# Altium PCB HMI_F767_V1.0_edited.PcbDoc (part 2 of 3) (continued)
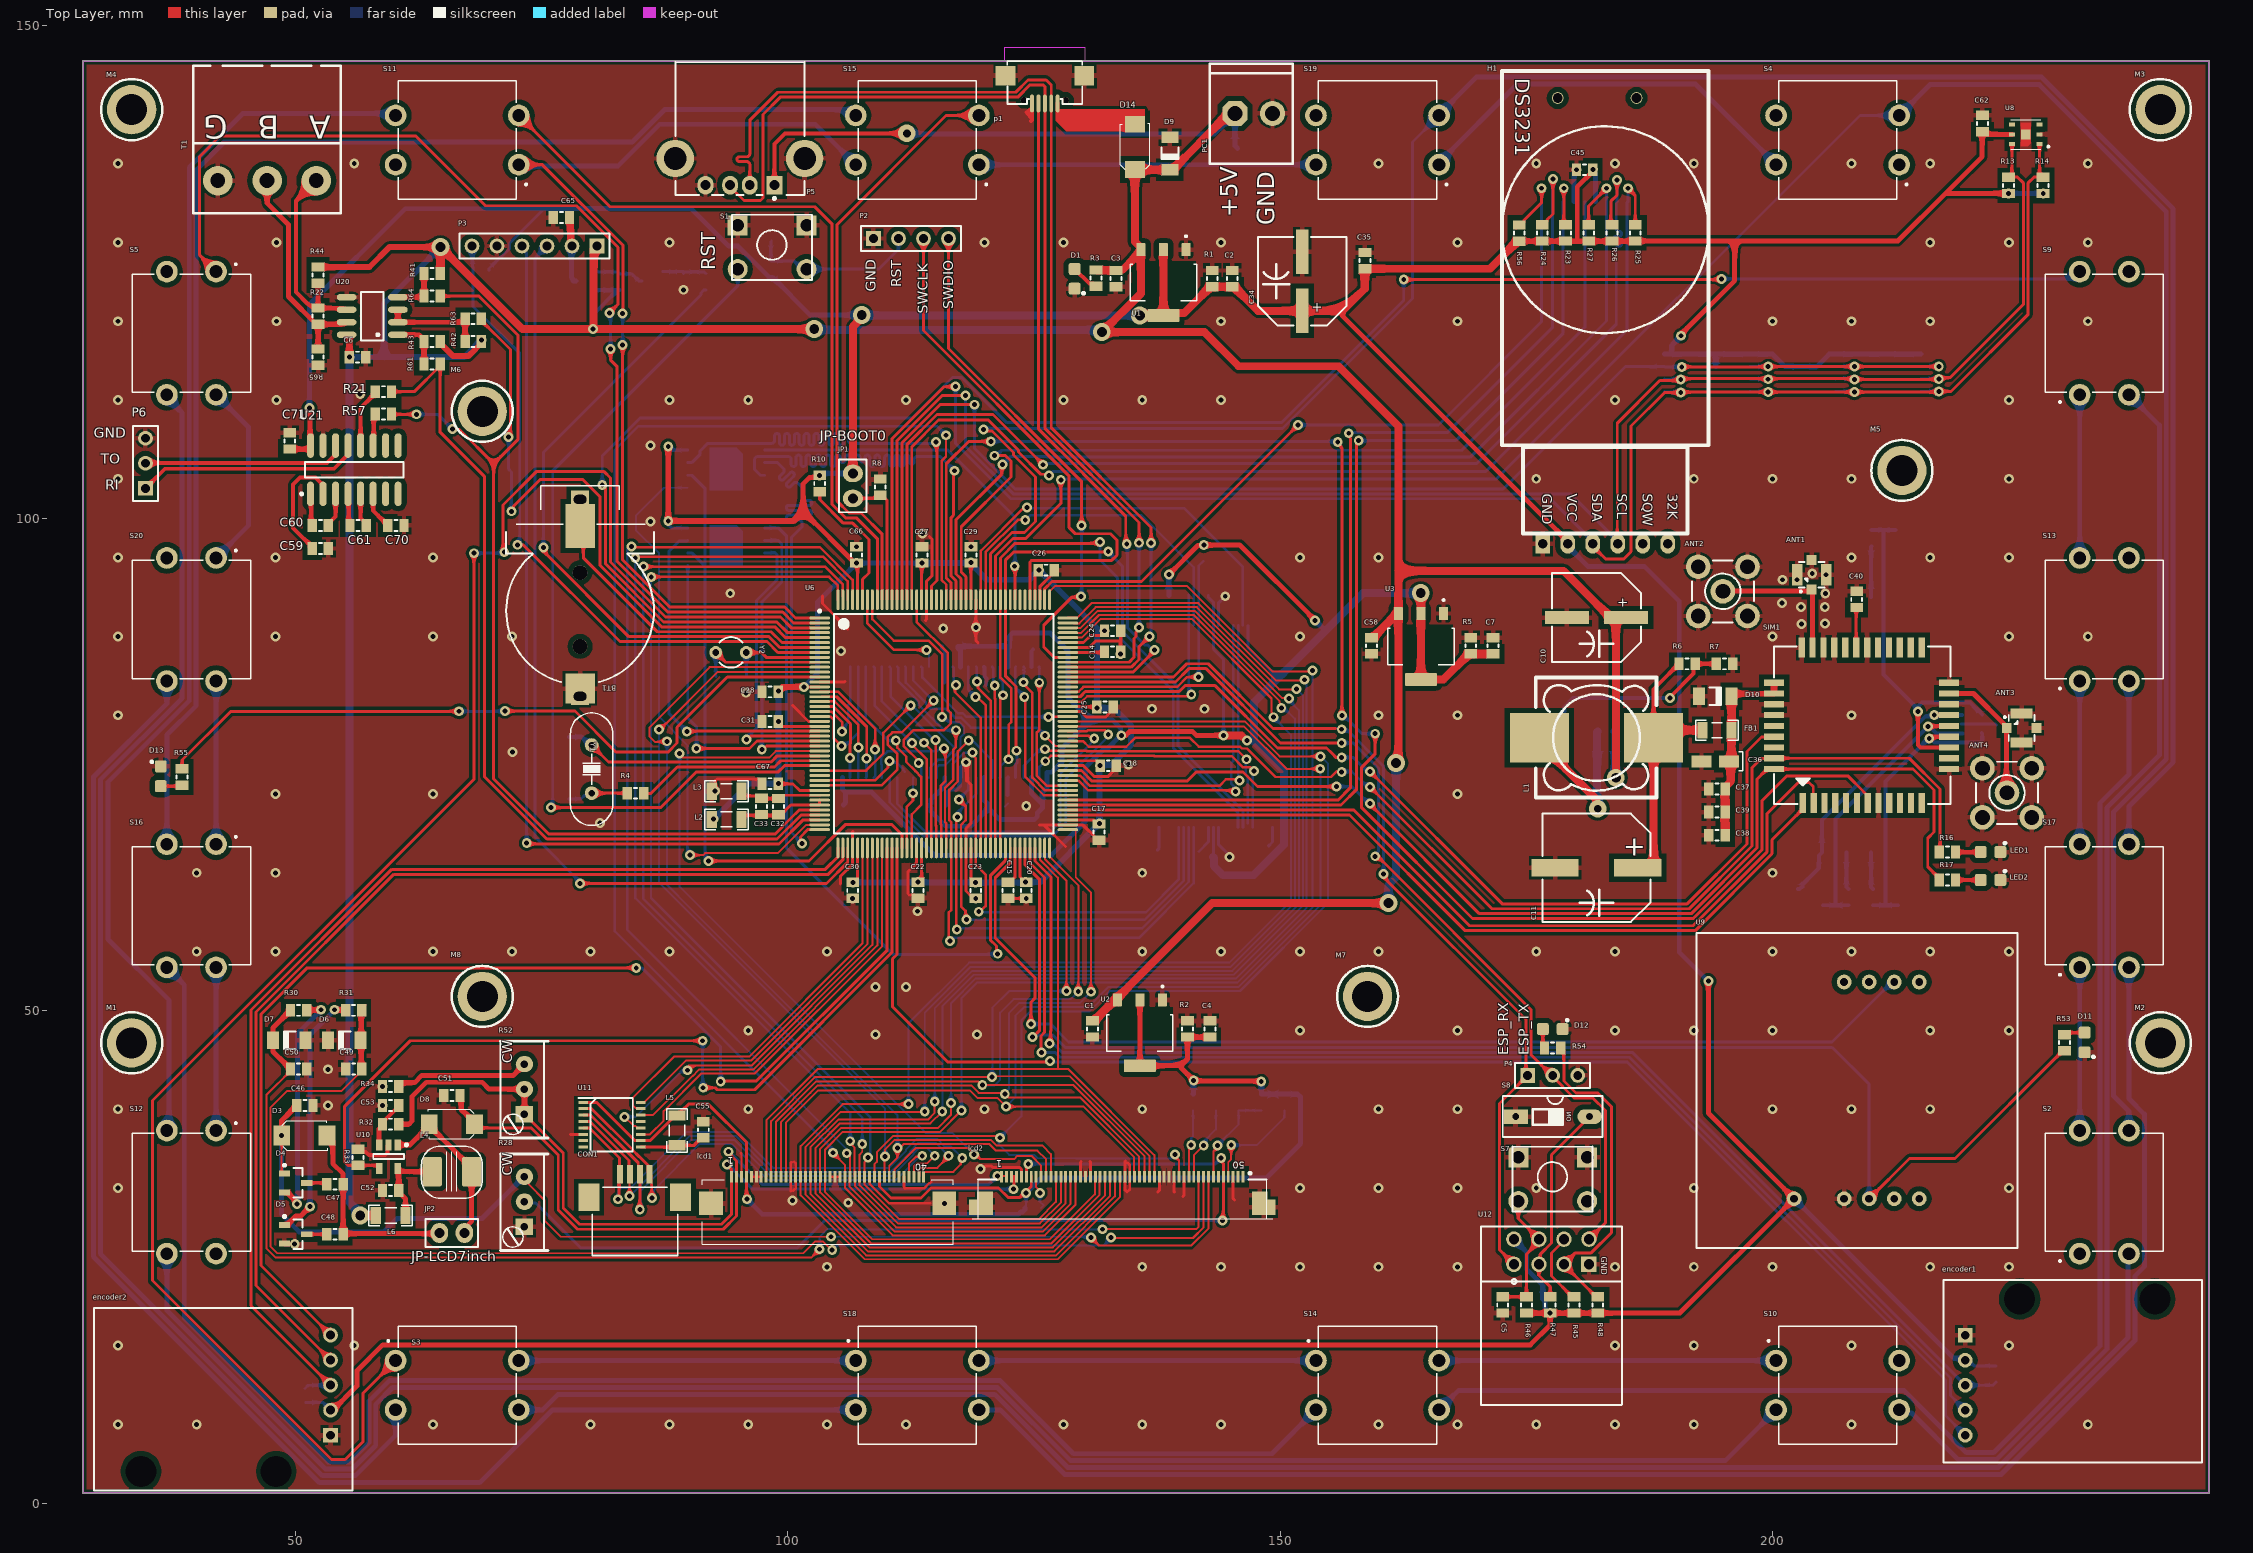
[diagram p0: Top Layer view]
## Nets (pads, with @x,y where several pads share a name; then routed paths per layer and width w, separated by ;. In a path a pad name is that pad's centre, name@x,y a point inside that pad or via, vN(x,y) a via of type N, cw(c..) or ccw(c..) an arc to the next point about the centre after c; other vN are vias at no path point) (continued)
  Top Layer w0.3: U6.57@111.1,66.525 111.1,55.718 110.65,55.268 110.65,50.4 116.275,44.775 126.5,44.775 v1(126.625,44.9)
  Bottom Layer w0.3: v1(126.625,44.9) 126.75,44.775 185.268,44.775 217.55,12.493 217.55,8.898 encoder1.5@219.555,6.893
EN1_B: encoder1.4 U6.84 | length 131.4
  Top Layer w0.3: U6.84@124.6,66.525 124.6,65.002 126.09,63.512 126.09,47.808 125.725,47.443 125.725,45.8 v1(125.775,45.75)
  Bottom Layer w0.3: v1(125.775,45.75) 127.17,45.75 127.645,45.275 185.475,45.275 218.05,12.7 218.05,10.938 encoder1.4@219.555,9.433
EN1_SW: encoder1.3 R39.2 U6.85 | length 131.2
  Top Layer w0.3: U6.85@125.1,66.525 125.1,65.209 125.169,65.14 126.725,63.584 126.725,47.95 126.709,47.934 126.709,46.809 126.575,46.675 v1(126.575,46.673)
  Bottom Layer w0.3: v1(126.575,46.673) 126.709,46.539 127.088,46.539 127.852,45.775 185.753,45.775 encoder1.3@219.555,11.973 ; encoder1.3@219.557,11.975 222.375,11.975 R39.2@222.7,12.3
EN2_A: encoder2.5 U6.55 | length 123.8
  Top Layer w0.3: encoder2.5@53.595,17.063 46.525,24.133 46.525,49.65 51.225,54.35 v1(84.625,54.35) ; v1(93.2,42.825) 93.225,42.85 96.818,42.85 110.1,56.132 U6.55@110.1,66.525
  Bottom Layer w0.3: v1(84.625,54.35) 85.177,54.35 93.2,46.327 v1(93.2,42.825)
EN2_B: encoder2.4 U6.46 | length 105.7
  Top Layer w0.3: encoder2.4@53.595,14.523 46.025,22.093 46.025,49.857 60.018,63.85 104.125,63.85 105.6,65.325 U6.46@105.6,66.525
EN2_SW: encoder2.3 R40.2 U6.45 | length 111.1
  Top Layer w0.3: encoder2.3@53.595,11.983 45.525,20.053 45.525,50.064 59.811,64.35 103.825,64.35 105.1,65.625 U6.45@105.1,66.525
  Bottom Layer w0.3: R40.2@51,11.65 51.325,11.975 53.587,11.975 encoder2.3@53.595,11.983
ESP_IO2: R48.1 R54.2 U12.3 | length 33.2
  Top Layer w0.3: R54.2@178.498,46.228 178.816,45.91 178.816,42.871 180.039,41.648 182.245,41.648 183.634,40.259 183.634,27.464 181.583,25.413 179.974,25.413 U12.3@178.818,24.257 178.818,24.206 182.07,20.954 R48.1@182.245,20.954
esp_rst: C5.1 R46.2 S7.2 U12.7 | length 13.5
  Top Layer w0.3: C5.1@172.593,20.954 R46.2@175.006,20.954 175.006,25.273 176.278,26.545 U12.7@176.278,26.797 174.18,28.895 S7.2@174.18,30.67
ESP_RX: P4.1 U6.120 U12.1 | length 95.3
  Top Layer w0.3: U6.120@128.45,83.875 139.175,83.875 140.525,85.225 142.698,85.225 149.273,78.65 155.625,78.65 ; v1(160.5,63.875) 160.5,63.55 174.95,49.1 174.95,43.617 P4.1@175.133,43.434 172.275,40.576 172.275,25.72 U12.1@173.738,24.257
  Bottom Layer w0.3: 155.625,78.65 156.675,78.65 160.5,74.825 v1(160.5,63.875)
  other v1: 156.25,78.575
ESP_TX: P4.2 U6.119 U12.5 | length 95.3
  Top Layer w0.3: U6.119@128.45,83.375 139.382,83.375 140.732,84.725 142.491,84.725 150.04,77.176 155.725,77.176 ; v1@159.776,65.801 175.45,50.127 175.45,45.55 177.566,43.434 177.566,43.414 179.832,41.148 181.74,41.148 183.023,39.865 183.023,28.462 U12.5@181.358,26.797
  Bottom Layer w0.3: v1(156.25,77.176) 157.426,77.176 159.975,74.627 159.975,66.189 159.65,65.864 v1(159.65,65.675)
Finger_on: R50.1 U6.7 | length 65.6
  Top Layer w0.3: v1(75.2,97.025) 75.2,96.644 83.869,87.975 98.107,87.975 99.207,86.875 U6.7@103.25,86.875
  Bottom Layer w0.3: v1(75.2,97.025) 75.2,106.697 91.194,122.691 91.194,122.866 91.519,123.191 R50.1@91.694,123.191
finger_power: C65.2 P3.2 Q1.1 | length 7.1
  Top Layer w0.8: C65.2@77.825,130.475 77.825,129.946 77.925,129.846 77.925,129.287 77.978,129.234 77.978,127.762 P3.2@78.105,127.635 P3.2@77.978,127.508
  Bottom Layer w0.5: P3.2@78.105,127.635 78.042,127.572 78.042,124.422 78.179,124.285 78.179,124.129 78.229,124.079 Q1.1@78.504,124.079
Finger_RX: P3.4 U6.42 | length 91.6
  Top Layer w0.3: v1(73.504,67.021) 73.554,67.021 73.65,66.925 99.134,66.925 101.584,69.375 U6.42@103.25,69.375
  Bottom Layer w0.3: P3.4@73.025,127.635 73.025,127.338 73.504,126.859 v1(73.504,67.021)
Finger_Touch: P3.6 R15.2 U6.8 | length 67.6
  Top Layer w0.3: v1(72.575,97.3) 73.143,97.3 82.968,87.475 97.9,87.475 99,86.375 U6.8@103.25,86.375
  Bottom Layer w0.3: P3.6@67.945,127.635 68.001,127.579 68.001,125.547 68.05,125.498 68.05,121.5 72.8,116.75 72.8,97.525 v1(72.575,97.3)
Finger_TX: P3.3 U6.47 | length 96.6
  Top Layer w0.3: v1(78.925,62.925) 103.943,62.925 106.1,65.082 U6.47@106.1,66.525
  Bottom Layer w0.3: P3.3@75.565,127.635 74.35,126.42 74.35,98.65 74.35,67.65 78.925,63.075 v1(78.925,62.925)
FMC_A0: U4.23 U6.16 | length 12.2
  Top Layer w0.25: U6.16@103.25,82.375 105.145,82.375 108.88,78.64 v1(108.88,76.529)
  Bottom Layer w0.25: U4.23@108.75,73.66 108.88,73.79 v1(108.88,76.529)
FMC_A1: U4.24 U6.17 | length 11
  Top Layer w0.3: U6.17@103.5,81.875 104.973,81.875 108.03,78.818 108.03,75.608 v1(108.012,75.591)
  Bottom Layer w0.3: U4.24@107.95,73.66 108,73.71 108,75.5 108.012,75.513 v1(108.012,75.591)
FMC_A2: U4.25 U6.18 | length 9.8
  Top Layer w0.25: U6.18@103.7,81.4 104.777,81.4 107.18,78.997 v1(107.18,76.729)
  Bottom Layer w0.25: U4.25@107.15,73.66 107.187,73.698 107.187,76.722 v1(107.18,76.729)
FMC_A3: U4.26 U6.19 | length 9.3
  Top Layer w0.3: U6.19@103.25,80.875 104.63,80.875 106.375,79.13 106.375,77.126 106.33,77.081 106.33,75.655 v1(106.325,75.65)
  Bottom Layer w0.3: v1(106.325,75.65) 106.337,75.638 106.337,73.673 U4.26@106.35,73.66
FMC_A4: U4.29 U6.20 | length 10.6
  Top Layer w0.25: U6.20@103.25,80.375 103.26,80.365 104.468,80.365 105.525,79.308 v1(105.525,78.35)
  Bottom Layer w0.25: v1(105.525,78.35) 105.575,78.4 105.575,78.7 106.175,79.3 106.175,81.075 106.35,81.25 U4.29@106.35,84.9
FMC_A5: U4.30 U6.21 | length 13.5
  Top Layer w0.25: U6.21@103.25,79.875 103.26,79.865 104.331,79.865 104.7,79.497 104.7,77.625 v1(105.45,76.875)
  Bottom Layer w0.25: v1(105.45,76.875) 105.475,76.875 105.546,76.804 105.754,76.804 107.15,78.2 U4.30@107.15,84.9
FMC_A6: U4.31 U6.60 | length 21.6
  Top Layer w0.25: v1(110.98,77.429) 111.124,77.286 111.124,76.713 112.044,75.793 112.044,75.249 112.964,74.329 113.55,73.743 113.55,70.887 112.6,69.937 U6.60@112.6,66.525
  Bottom Layer w0.25: U4.31@107.95,84.9 107.944,84.894 107.944,79.665 110.179,77.429 v1(110.98,77.429)
FMC_A7: U4.32 U6.63 | length 20.6
  Top Layer w0.25: v1(112.63,77.179) 112.63,76.996 114.13,75.496 114.13,73.327 114.1,73.296 U6.63@114.1,66.525
  Bottom Layer w0.25: U4.32@108.75,84.9 108.83,84.82 108.83,80.979 v1(112.63,77.179)
FMC_A8: U4.33 U6.64 | length 20.5
  Top Layer w0.25: v1(113.841,77.202) 114.6,76.443 U6.64@114.6,66.525
  Bottom Layer w0.25: U4.33@109.55,84.9 109.575,84.875 109.575,81.411 113.784,77.202 v1(113.841,77.202)
FMC_A9: U4.34 U6.65 | length 20.4
  Top Layer w0.25: v1(115.01,77.473) 115.05,77.433 115.05,68.799 115.1,68.749 U6.65@115.1,66.525
  Bottom Layer w0.25: U4.34@110.35,84.9 110.48,84.77 110.48,81.853 114.86,77.473 v1(115.01,77.473)
FMC_A10: U4.22 U6.66 | length 19.2
  Top Layer w0.25: U6.66@115.6,66.525 115.581,66.544 115.581,68.905 115.525,68.96 115.525,72.812 116.025,73.312 116.025,76.458 v1(115.876,76.607)
  Bottom Layer w0.25: U4.22@109.55,73.66 109.55,74.958 109.5,75.008 109.5,75.692 110.133,76.325 115.121,76.325 115.446,76.65 115.833,76.65 v1(115.876,76.607)
FMC_A11: U4.35 U6.67 | length 22.1
  Top Layer w0.25: U6.67@116.1,66.525 116.1,69.022 115.975,69.147 115.975,72.626 116.825,73.476 116.825,76.51 117.081,76.765 v1(117.081,78.479)
  Bottom Layer w0.25: U4.35@111.15,84.9 111.237,84.812 111.237,83.429 113.325,81.342 113.325,81.008 115.854,78.479 v1(117.081,78.479)
FMC_A12: U4.36 U6.106 | length 20.8
  Top Layer w0.25: v1(126.125,77.919) 127.169,76.875 U6.106@128.45,76.875
  Bottom Layer w0.25: U4.36@111.95,84.9 112.009,84.841 112.009,83.294 114.003,81.3 114.003,81.161 114.515,80.65 116.092,80.65 116.988,79.754 117.609,79.754 118.613,78.75 125.294,78.75 v1(126.125,77.919)
FMC_ALE: U6.100 U7.17 | length 34
  Top Layer w0.25: U6.100@128.45,73.875 128.46,73.865 129.668,73.865 130.708,72.825 143.825,72.825 144.475,73.475 145.775,73.475 v1(145.875,73.375)
  Bottom Layer w0.25: U7.17@145.725,89.125 145.725,73.775 145.875,73.625 v1(145.875,73.375)
FMC_BA0: U4.20 U6.108 | length 33.5
  Top Layer w0.25: U6.108@128.45,77.875 128.46,77.885 129.395,77.885 129.41,77.9 130.56,77.9 130.879,77.581 131.086,77.581 v1(131.13,77.625)
  Bottom Layer w0.25: U4.20@111.15,73.66 111.15,71 114,68.15 126.664,68.15 127.7,69.186 127.7,74.07 131.13,77.5 v1(131.13,77.625)
FMC_BA1: U4.21 U6.109 | length 37.5
  Top Layer w0.25: U6.109@128.45,78.375 130.38,78.375 130.455,78.45 132.272,78.45 132.55,78.172 v1(132.55,78.05)
  Bottom Layer w0.25: U4.21@110.35,73.66 110.35,71.163 113.813,67.7 126.85,67.7 128.25,69.1 128.25,73.557 132.55,77.857 v1(132.55,78.05)
FMC_CLE: U6.99 U7.16 | length 34.7
  Top Layer w0.25: U6.99@128.45,73.375 128.46,73.365 129.531,73.365 130.522,72.375 145.352,72.375 v1(145.488,72.239)
  Bottom Layer w0.25: U7.16@145.225,89.125 145.225,75.342 145.05,75.167 145.05,73.025 145.575,72.5 145.55,72.475 145.55,72.416 145.488,72.354 v1(145.488,72.239)
FMC_D0: U4.2 U6.104 U7.29 | length 29.7
  Top Layer w0.25: v1(126.158,75.333) 126.171,75.333 126.712,75.875 129.373,75.875 137.216,75.875 137.241,75.85 145.083,75.85 146.233,74.7 146.961,74.7 v1(147.332,74.329)
  Bottom Layer w0.25: U4.2@125.55,73.66 125.55,74.75 126.075,75.275 126.1,75.275 v1(126.158,75.333) ; U7.29@147.225,68.625 147.225,74.221 v1(147.332,74.329)
FMC_D1: U4.4 U6.105 U7.30 | length 31.6
  Top Layer w0.25: v1(126.125,76.55) 126.275,76.4 126.275,76.375 U6.105@128.45,76.375 130.364,76.375 130.389,76.35 145.75,76.35 v1(146.575,75.525)
  Bottom Layer w0.25: U4.4@123.95,73.66 123.95,74.85 125.65,76.55 v1(126.125,76.55) ; v1(146.575,75.525) 146.507,75.457 146.507,73.987 146.7,73.794 U7.30@146.7,69.025
FMC_D2: U4.5 U6.142 U7.31 | length 67.1
  Top Layer w0.3: v1(123.25,76.396) 123.175,76.471 123.175,82.923 122.1,83.998 U6.142@122.1,91.725 122.1,95.725 122.95,96.575 132.5,96.575 v1(132.55,96.625)
  Bottom Layer w0.3: U4.5@123.15,73.66 123.15,75.048 123.275,75.173 123.275,76.371 v1(123.25,76.396) ; v1(132.55,96.625) 132.55,96.575 134,95.125 134,88.5 139.65,82.85 139.65,76.875 146.225,70.3 U7.31@146.225,68.625
FMC_D3: U4.7 U6.143 U7.32 | length 68.8
  Top Layer w0.25: U6.143@121.6,91.725 121.6,83.826 122.681,82.745 122.681,79.285 122.425,79.029 v1(122.425,75.525)
  Top Layer w0.3: U6.143@121.6,91.725 121.6,95.967 123.083,97.45 131.6,97.45 v1(131.725,97.575)
  Bottom Layer w0.25: U4.7@121.55,73.66 121.635,73.745 121.635,74.835 122.325,75.525 v1(122.425,75.525)
  Bottom Layer w0.3: v1(131.725,97.575) 131.725,97.45 131.7,97.425 131.7,95.75 133.5,93.95 133.5,88.1 139.15,82.45 139.15,76.668 145.725,70.093 U7.32@145.725,68.625
FMC_D4: U4.8 U6.68 U7.41 | length 59.2
  Top Layer w0.25: v1(116.475,57.075) 116.35,57.2 116.35,59.953 116.6,60.203 U6.68@116.6,66.525 116.6,69.158 116.425,69.333 116.425,72.425 117.275,73.275 117.275,76.323 v1(118.381,77.429)
  Bottom Layer w0.25: v1(116.475,57.075) 116.475,57.079 116.796,57.4 135.675,57.4 141.225,62.95 U7.41@141.225,68.625 ; v1(118.381,77.429) 118.752,77.429 120.75,75.432 U4.8@120.75,73.66
FMC_D5: U4.10 U6.69 U7.42 | length 47.4
  Top Layer w0.25: v1(117.175,58.25) 117.1,58.325 U6.69@117.1,66.525 117.1,69.525 v1(117.25,69.675)
  Bottom Layer w0.25: v1(117.175,58.25) 117.275,58.35 135.986,58.35 140.725,63.089 U7.42@140.725,68.625 ; v1(117.25,69.675) 117.25,70.106 119.15,72.006 U4.10@119.15,73.66
FMC_D6: U4.11 U6.70 U7.43 | length 44.7
  Top Layer w0.25: v1(117.375,71.45) 118.075,70.75 118.075,69.333 117.6,68.858 U6.70@117.6,66.525 117.61,66.515 117.61,60.575 118.06,60.125 118.06,59.365 v1(118.175,59.25)
  Bottom Layer w0.25: v1(117.375,71.45) 118.312,72.387 118.312,73.623 U4.11@118.35,73.66 ; v1(118.175,59.25) 118.2,59.225 136.225,59.225 140.225,63.225 U7.43@140.225,68.625
FMC_D7: U4.13 U6.73 U7.44 | length 48
  Top Layer w0.25: v1(118.775,76.217) 118.795,76.217 118.941,76.071 118.941,75.806 119.1,75.647 U6.73@119.1,66.525 119.1,64.825 120.1,63.825 120.1,60.625 119.525,60.05 v1(119.4,60.05)
  Bottom Layer w0.25: U4.13@116.75,73.66 116.775,73.685 116.775,75.067 117.9,76.192 118.75,76.192 v1(118.775,76.217) ; v1(119.4,60.05) 119.425,60.05 119.475,60 136.364,60 139.725,63.361 U7.44@139.725,68.625
FMC_D8: U4.42 U6.74 | length 19.7
  Top Layer w0.25: v1(117.1,83.075) 116.969,82.944 116.969,82.356 119.6,79.725 U6.74@119.6,66.525
  Bottom Layer w0.25: U4.42@116.75,84.9 116.85,84.8 116.85,83.221 116.996,83.075 v1(117.1,83.075)
FMC_D9: U4.44 U6.75 | length 19.2
  Top Layer w0.25: v1(119.054,81.854) 119.246,81.854 120.125,80.975 120.125,66.55 U6.75@120.1,66.525
  Bottom Layer w0.25: U4.44@118.35,84.9 118.35,82.558 v1(119.054,81.854)
FMC_D10: U4.45 U6.76 | length 19
  Top Layer w0.25: v1(119.225,83.425) 119.306,83.344 119.306,82.769 120.6,81.475 U6.76@120.6,66.525
  Bottom Layer w0.25: U4.45@119.15,84.9 119.188,84.862 119.188,83.463 v1(119.225,83.425)
FMC_D11: U4.47 U6.77 | length 18.5
  Top Layer w0.25: v1(121.029,83.006) 121.029,81.69 121.09,81.628 121.09,66.535 U6.77@121.1,66.525
  Bottom Layer w0.25: U4.47@120.75,84.9 120.862,84.788 120.862,83.173 v1(121.029,83.006)
FMC_D12: U4.48 U6.78 | length 18.6
  Top Layer w0.25: U6.78@121.6,66.525 121.6,81.773 v1(121.856,82.029)
  Bottom Layer w0.25: U4.48@121.55,84.9 121.55,83.652 121.856,83.346 v1(121.856,82.029)
FMC_D13: U4.50 U6.96 | length 16.7
  Top Layer w0.25: v1(124.028,81.857) 124.1,81.785 124.1,73.775 126,71.875 U6.96@128.45,71.875
  Bottom Layer w0.25: U4.50@123.15,84.9 123.125,84.875 123.125,82.808 124.028,81.905 v1(124.028,81.857)
FMC_D14: U4.51 U6.97 | length 16
  Top Layer w0.25: v1(123.95,83.35) 123.95,83.15 124.853,82.247 124.853,81.516 124.85,81.513 124.85,73.661 126.136,72.375 U6.97@128.45,72.375
  Bottom Layer w0.25: v1(123.95,83.35) 123.95,84.276 124.081,84.407 123.9,84.588 124.081,84.769 U4.51@123.95,84.9
FMC_D15: U4.53 U6.98 | length 14.5
  Top Layer w0.25: v1(125.55,83.3) 125.55,78.511 125.3,78.261 125.3,73.848 126.298,72.85 U6.98@128.125,72.85
  Bottom Layer w0.25: v1(125.55,83.3) 125.55,84.75 125.575,84.775 125.5,84.85 U4.53@125.55,84.9
FMC_NCE: R12.2 U6.117 U7.9 | length 25.8
  Top Layer w0.25: U6.117@128.45,82.375 128.46,82.385 129.538,82.385 130.028,82.875 139.554,82.875 140.554,83.875 v1(141.7,83.875)
  Bottom Layer w0.25: v1(141.7,83.875) 141.7,83.975 141.75,84.025 U7.9@141.75,89.425 ; U7.9@141.725,89.425 141.725,95.175 R12.2@142.175,95.625
FMC_NOE: U6.146 U7.8 | length 35.6
  Top Layer w0.25: U6.146@120.1,91.725 120.1,96.553 123.372,99.825 v1(124.125,99.825)
  Bottom Layer w0.25: v1(124.125,99.825) 124.146,99.825 124.646,100.325 135.9,100.325 141.225,95 U7.8@141.225,89.125
FMC_NWAIT: R11.1 U6.115 U7.7 | length 22.6
  Top Layer w0.25: U6.115@129,81.35 129.847,81.35 130.422,81.925 140.8,81.925 v1(140.982,82.107)
  Bottom Layer w0.25: R11.1@140.725,92.225 U7.7@140.725,89.125 140.735,89.115 140.735,82.253 140.881,82.107 v1(140.982,82.107)
FMC_NWE: U6.147 U7.18 | length 41.8
  Top Layer w0.25: U6.147@119.6,91.725 119.6,94.47 119.6,96.689 123.941,101.03 124.238,101.03 v1(124.285,101.077)
  Bottom Layer w0.25: v1(124.285,101.077) 124.332,101.03 140.245,101.03 146.225,95.05 U7.18@146.225,89.125
FMC_SDCKE0: U4.37 U6.35 | length 22.8
  Top Layer w0.25: U6.35@103.25,72.875 109.525,72.875 111.15,74.5 111.15,76.05 110.155,77.045 110.155,77.771 110.639,78.254 111.579,78.254 v1(114.828,81.503)
  Bottom Layer w0.25: U4.37@112.75,84.9 112.75,83.525 114.772,81.503 v1(114.828,81.503)
FMC_SDCLK: U4.38 U6.112 | length 17.5
  Top Layer w0.25: v1(126.479,79.832) 126.497,79.85 127.511,79.85 127.527,79.865 128.311,79.865 U6.112@128.325,79.852
  Bottom Layer w0.25: U4.38@113.55,84.9 113.675,84.775 113.675,83.823 117.294,80.204 117.795,80.204 118.168,79.832 v1(126.479,79.832)
FMC_SDNCAS: U4.17 U6.160 | length 24
  Top Layer w0.25: U6.160@113.1,91.725 113.1,89.481 116.275,86.306 116.275,80.525 116.558,80.242 116.558,79.167 115.842,78.45 112.735,78.45 111.805,77.521 111.805,76.837 113.305,75.337 v1(113.305,75.154)
  Bottom Layer w0.25: v1(113.305,75.154) 113.32,75.139 113.32,75.105 113.55,74.875 U4.17@113.55,73.66
FMC_SDNE0: U4.19 U6.34 | length 10.3
  Top Layer w0.25: U6.34@103.25,73.375 108.875,73.375 110.181,74.681 110.181,75.206 v1(110.325,75.35)
  Bottom Layer w0.25: v1(110.325,75.35) 110.469,75.206 111.077,75.206 111.725,74.558 111.725,74.435 U4.19@111.9,74.26
FMC_SDNRAS: U4.18 U6.59 | length 7.4
  Top Layer w0.25: U6.59@112.1,66.525 112.1,70.713 112.725,71.338 v1(112.725,72.075)
  Bottom Layer w0.25: v1(112.725,72.075) 112.725,73.635 U4.18@112.75,73.66
FMC_SDNWE: U4.16 U6.32 | length 23.9
  Top Layer w0.25: U6.32@103.25,74.375 107.964,74.375 109.705,76.117 109.705,78.205 v1(112.5,81)
  Bottom Layer w0.25: v1(112.5,81) 112.65,81 116.85,76.8 116.85,76.415 115.894,75.458 115.247,75.458 114.475,74.686 114.475,73.785 U4.16@114.35,73.66
GND: ANT1.G ANT2.2 ANT3.G ANT4.2 BT1.2 C1.1 C2.1 C3.1 C4.1 C5.2 C6.1 C7.1 C8.1 C9.2 C10.2 C11.2 C12.2 C13.1 C14.1 C15.1 C16.1 C17.1 C18.1 C19.1 C20.1 C21.1 C22.1 C23.1 C24.1 C25.1 C26.1 C27.1 C28.1 C29.1 C30.1 C31.1 C34.2 C35.1 C36.2 C37.1 C38.1 C39.1 C40.1 C41.1 C42.1 C43.1 C44.1 C45.1 C46.2 C49.1 C50.2 C51.2 C52.2 C53.2 C54.1 C55.2 C56.1 C57.1 C58.2 C59.1 C62.1 C63.1 C64.1 C65.1 C66.1 C67.1 C68.1 C69.1 C70.2 C71.2 C72.1 C74.1 C75.1 C76.1 D1.C D2.1 D5.2 D6.2 D7.1 D9.1 D10.1 D11.C D12.C D13.C D15.1 encoder1.1 encoder2.1 H1.1 J1.6 J1.sh1 J1.sh2 J1.sh3 J1.sh4 L3.1 lcd1.3 lcd1.5 lcd1.6 lcd1.7 lcd1.13 lcd1.14 lcd1.21 lcd1.22 lcd1.23 lcd1.29 lcd1.36 lcd1.41 lcd1.42 lcd2.5 lcd2.17 lcd2.18 lcd2.19 lcd2.26 lcd2.27 lcd2.33 lcd2.34 lcd2.35 lcd2.36 lcd2.38 lcd2.48 lcd2.51 lcd2.52 LED1.C LED2.C p1.5 P2.1 P3.5 P4.3 P5.4 P6.3 PC1.2 Q2.2 R1.1 R2.1 R5.1 R7.1 R8.2 R28.1 R33.1 R34.1 R36.2 R51.1 R65.2 S1.1 S7.1 S8.1 SIM1.8 SIM1.13 SIM1.19 SIM1.21 SIM1.27 SIM1.30 SIM1.31 SIM1.33 SIM1.36 SIM1.37 SIM2.4 T1.3 U1.1 U2.1 U3.1 U4.6 U4.12 U4.28 U4.41 U4.46 U4.52 U4.54 U5.3 U5.5 U6.14 U6.22 U6.48 U6.61 U6.71 U6.90 U6.102 U6.113 U6.126 U6.135 U6.148 U6.158 U7.13 U7.25 U7.36 U7.38 U7.48 U8.2 U8.7 U9.2 U10.2 U11.6 U12.4 U13.1 U13.2 U13.3 U13.4 U14.2 U14.3 U14.4 U15.1 U15.3 U15.4 U16.3 U16.4 U17.2 U17.5 U18.4 U19.4 U20.5 U21.15 | length 180.4
  Top Layer w0.2: C23.1@118.85,61.4 C23.1@119.025,61.4
  Top Layer w0.25: 95.25,35.55 95.315,35.485 lcd1.3@95.315,33.147 ; lcd1.5@96.315,33.147 lcd1.6@96.815,33.147 lcd1.7@97.315,33.147 ; 100.325,31.675 100.315,31.685 lcd1.13@100.315,33.147 100.315,34.54 100.4,34.625 ; 100.565,31.735 100.63,31.8 100.669,31.8 100.815,31.946 lcd1.14@100.815,33.147 100.815,34.51 100.675,34.65 ; lcd1.21@104.315,33.147 lcd1.22@104.815,33.147 lcd1.23@105.315,33.147 ; lcd1.29@108.315,33.147 108.34,33.122 108.34,32.412 110.302,30.45 114.5,30.45 ; 111.933,31.967 113.845,31.967 114.357,32.479 114.454,32.479 114.6,32.625 ; C15.1@122.375,61.4 v1(124.225,61.4)
  Top Layer w0.3: 77.95,37.45 U11.6@79.254,37.45 ; L3.1@92.29,72.275 92.66,72.645 92.66,73.349 92.836,73.525 97.075,73.525 97.4,73.2 C67.1@97.4,73.05 ; 100.5,81 102.125,79.375 U6.22@103.25,79.375 ; U6.14@103.25,83.375 105.775,83.375 105.825,83.425 ; 103.525,92.125 103.525,91.35 106.1,88.775 ; 105.35,62.875 105.35,63.625 106.6,64.875 U6.48@106.6,66.525 106.6,68.175 106.625,68.2 ; C30.1@106.425,61.4 v1(106.6,61.4) ; lcd1.36@111.815,33.147 111.815,32.085 111.933,31.967 ; U6.61@113.1,66.525 113.1,65 112.225,64.125 112.225,61.901 112.401,61.725 112.9,61.725 C22.1@113.225,61.4 ; 113.975,89.6 114.1,89.725 U6.158@114.1,91.725 114.1,93.6 114.65,94.15 114.65,97.875 114.4,98.125 ; 118.2,73.375 118.625,72.95 118.625,69.025 118.1,68.5 U6.71@118.1,66.525 118.1,62.15 C23.1@118.85,61.4 ; U6.148@119.1,91.725 119.1,87.575 119.325,87.35 ; v1(119.575,33.925) 119.764,33.925 120.064,34.225 120.7,34.225 120.828,34.097 123.528,34.097 123.732,33.893 lcd2.5@123.732,33.147 ; 125.55,68.875 125.975,68.875 ; U6.135@125.6,91.725 125.6,93.05 126.775,94.225 126.85,94.225 127.175,94.55 C26.1@127.175,94.725 ; 128.2,66.675 126,68.875 125.975,68.875 ; U6.102@128.45,74.875 130.037,74.875 131.112,73.8 132.55,73.8 133.05,74.3 133.05,74.55 C18.1@133.375,74.875 ; U6.113@128.45,80.375 129.775,80.375 130.325,79.825 132.3,79.825 132.725,80.25 132.725,80.425 C25.1@133.05,80.75 ; U6.126@128.45,86.875 130.625,86.875 131.3,87.55 133.725,87.55 133.8,87.626 ; lcd2.17@129.732,33.147 129.732,34.607 129.8,34.675 ; 130.675,34.675 130.732,34.618 lcd2.19@130.732,33.147 ; C17.1@131.625,67.3 131.45,67.3 131.125,67.625 131.125,67.7 129.95,68.875 U6.90@128.45,68.875 125.975,68.875 ; C14.1@133.8,86.45 133.8,87.626 ; C24.1@133.825,88.575 133.8,88.55 133.8,87.626 ; 134.3,34.75 134.232,34.682 lcd2.26@134.232,33.147 134.232,31.818 134.466,31.584 134.732,31.85 lcd2.27@134.732,33.147 134.732,34.349 134.556,34.525 134.5,34.525 ; 137.575,31.6 137.732,31.757 lcd2.33@137.732,33.147 ; lcd2.36@139.232,33.147 139.232,31.618 139.275,31.575 ; 140.15,31.15 140.232,31.232 lcd2.38@140.232,33.147 ; lcd2.48@145.232,33.147 145.232,30.918 145.375,30.775
  Top Layer w0.4: R33.1@56.388,35.941 56.663,35.666 57.138,35.666 57.475,35.329 59.135,35.329 59.37,35.563 59.37,36.271 U10.2@59.478,36.379 ; v1(118.1,75.225) 118.2,75.125 118.2,73.375 ; 124.725,140.35 124.811,140.436 p1.5@124.811,142.11
  Bottom Layer w0.2: C74.1@122.05,70.725 C74.1@122.35,71.025
  Bottom Layer w0.3: 137.525,66.3 137.725,66.5 U7.48@137.725,68.625 ; 141.75,66.175 142.725,67.15 U7.38@142.725,68.625 ; U7.36@143.725,68.625 143.725,66.9 144.85,65.775 v1(144.85,65.6) ; U7.13@143.725,89.125 143.725,91.375 144.35,92 C56.1@144.35,92.175 ; 148.797,66.702 149.225,67.129 U7.25@149.225,68.625 ; U17.2@219.134,79.121 221.234,79.121 222.604,79.121 222.725,79
  Bottom Layer w0.4: C57.1@115.65,87 115.65,86.825 115.95,86.525 U4.41@115.95,84.9 115.95,83.35 115.9,83.3 ; C68.1@116.1,70.825 116.275,71 116.275,71.352 116.2,71.427 116.2,72.141 116.519,72.46 117.129,72.46 117.4,72.731 117.4,72.854 117.479,72.854 117.5,72.832 117.5,73.61 U4.12@117.55,73.66 117.6,73.71 117.6,74.725 v1(118.1,75.225) ; U4.46@119.95,84.9 120,84.85 120,83.947 120.202,83.745 120.202,83.459 120.129,83.386 120.129,83.079 ; 122.3,71.875 122.3,73.61 U4.6@122.35,73.66 ; U4.52@124.75,84.9 124.75,86.475 124.925,86.65
  Bottom Layer w0.5: J1.6@179.834,132.164 179.834,134.995 180.086,135.247 v1(180.086,135.382)
  other v1: 32,8 40,8 64,8 80,8 88,8 96,8 104,8 112,8 128,8 136,8 144,8 160,8 168,8 176,8 184,8 192,8 208,8 232,8 32,16 56,16 184,16 192,16 208,16 224,16 104,24 136,24 144,24 152,24 160,24 168,24 184,24 192,24 200,24 216,24 224,24 49.95,26.325 115.915,30.447 106.15,30.5 100.5,30.725 32,32 152,32 160,32 168,32 176,32 192,32 224,32 32,40 96,40 120,40 136,40 160,40 168,40 200,40 208,40 216,40 53.325,40.375 58.865,40.386 58.865,42.291 53.325,44.05 108.925,47.575 119.225,47.575 96,48 152,48 168,48 184,48 192,48 200,48 216,48 224,48 108.925,52.4 112.025,52.4 40,56 48,56 64,56 72,56 80,56 88,56 104,56 136,56 144,56 152,56 160,56 176,56 184,56 200,56 208,56 216,56 224,56 113.175,60.1 119.1,61.4 40,64 48,64 136,64 200,64 80.95,69.05 124.225,70.775 48,72 64,72 168,72 92.625,72.3 134.6,74.975 72.05,76.275 32,80 160,80 168,80 208,80 136.975,80.65 142.325,80.65 95.775,82.275 133.8,86.225 105.4,86.525 32,88 48,88 64,88 72,88 152,88 200,88 224,88 232,88 115.8,88.8 119.125,88.925 202.95,89.275 205.325,89.325 205.3,90.975 202.9,91 200.95,91.4 144.425,92.075 205.35,92.35 94.175,92.375 201,93.75 202.475,93.75 205.437,94.258 204.025,94.375 32,96 48,96 64,96 152,96 160,96 208,96 216,96 224,96 107,97.1 118.625,97.1 113.675,98.45 86.075,99.65 32,104 176,104 192,104 200,104 208,104 224,104 86.075,107.375 32,112 48.1,112 88,112 96,112 112,112 128,112 136,112 144,112 184,112 224,112 56.6,112.598 32,120 48.1,120 144,120 168,120 200,120 208,120 216,120 232,120 89.408,123.191 32,128 48.1,128 88,128 120,128 128,128 144,128 168,128 216,128 224,128 232,128 32,136 56,136 160,136 176,136 184,136 192,136 208,136 216,136 232,136
GSM_NET_light: R16.1 SIM1.41 U6.107 | length 115
  Top Layer w0.25: U6.107@128.45,77.375 130,77.375 130.575,76.8 134.375,76.8 135.279,77.704 140.85,77.704 141.754,76.8 145.936,76.8 146.115,76.622 146.645,76.622 149.538,73.729 155.151,73.729 155.725,74.302
  Top Layer w0.3: v1(159.125,72.725) 171.5,60.35 190.986,60.35 191.532,60.35 197.9,66.718 197.9,67.264 197.9,74.664 198.862,75.626 200.149,75.626 SIM1.41@200.152,75.629 213.872,75.629 217,72.5 217,66.191 R16.1@216.916,66.107
  Bottom Layer w0.25: v1@156.252,74.3 157.275,74.3 158.85,72.725 v1(159.125,72.725)
  other v1: 156.25,74.228
GSM_PWRKEY: SIM1.39 U6.116 | length 93.3
  Top Layer w0.3: U6.116@128.45,81.875 129.7,81.875 130.225,82.4 139.751,82.4 140.351,83 143.402,83 149.727,76.675 154.712,76.675 155.259,76.128 155.705,75.682 ; v1(159.125,74.275) 172.55,60.85 191.325,60.85 197.4,66.925 197.4,76.325 198.862,77.787 200.119,77.787 SIM1.39@200.152,77.819
  Bottom Layer w0.3: v1(156.25,75.702) 157.423,75.702 158.8,74.325 159.075,74.325 v1(159.125,74.275)
GSM_RI_INT: SIM1.7 U6.153 | length 161.4
  Top Layer w0.3: U6.153@116.6,91.725 116.6,93.434 116.1,93.934 116.1,105.525 118.375,107.8 v1(120.625,107.8) ; v1(155.85,107.75) 155.85,107.561 156.275,107.136 v1(156.275,79.975) ; v1(159.65,78.125) 159.65,76.089 158.275,74.714 158.275,70.598 169.523,59.35 191.946,59.35 198.9,66.304 198.9,71.3 201.45,73.85 207.64,73.85 209.232,72.258 209.232,72.225 209.654,71.803 SIM1.7@209.654,71.104
  Bottom Layer w0.3: v1(120.625,107.8) 155.8,107.8 v1(155.85,107.75) ; v1(156.275,79.975) 156.475,79.975 158.325,78.125 v1(159.65,78.125)
GSM_RXD: SIM1.2 U6.93 | length 90.7
  Top Layer w0.3: U6.93@128.45,70.375 157.475,70.375 169.225,58.625 191.928,58.625 199.45,66.147 199.45,70.025 202.6,73.175 203.7,73.175 204.125,72.75 204.125,71.149 SIM1.2@204.17,71.104
GSM_status: R17.1 SIM1.42 U6.101 | length 115.7
  Top Layer w0.3: U6.101@128.45,74.375 129.83,74.375 130.905,73.3 140.55,73.3 141.475,74.225 146.234,74.225 147.705,72.754 v1(155.725,72.754) ; v1(159.125,71.05) 159.125,70.95 170.225,59.85 191.739,59.85 198.4,66.511 198.4,67.057 198.4,73.48 199.453,74.533 214.26,74.533 216.396,72.396 216.396,68.146 215.75,67.5 215.75,64.611 216.916,63.445 R17.1@216.916,63.27
  Bottom Layer w0.3: v1(155.725,72.754) 157.271,72.754 158.975,71.05 v1(159.125,71.05)
GSM_TXD: SIM1.1 U6.92 | length 86.1
  Top Layer w0.3: U6.92@128.45,69.875 157.034,69.875 168.784,58.125 192.136,58.125 199.95,65.939 199.95,67.35 202.838,70.238 202.905,70.238 203.073,70.406 SIM1.1@203.073,71.104
KEY_C1: S2.1 S9.1 S13.1 S17.1 U6.4 | length 248.6
  Top Layer w0.3: v1(81.175,103.375) 81.525,103.025 81.525,95.352 87.402,89.475 98.9,89.475 100,88.375 U6.4@103.25,88.375 ; v1(162.55,124.223) 194.723,124.223 v1(194.8,124.3) ; S13.1@230.687,95.968 S13.1@231.18,95.968
  Bottom Layer w0.3: v1(81.175,103.375) 81.175,106.325 85.025,110.175 112.625,110.175 116.725,114.275 117.675,114.275 122.25,109.7 150.141,109.7 162.55,122.109 v1(162.55,124.223) ; v1(194.8,124.3) 230.445,124.3 S9.1@231.18,125.035
  Bottom Layer w0.5: S2.1@231.18,37.833 S17.1@231.18,54.4 ; S17.1@231.18,66.9 S13.1@231.18,83.468 ; S13.1@231.18,95.968 S9.1@231.18,112.46
KEY_C2: S3.1 S10.1 S14.1 S18.1 U6.3 | length 282.3
  Top Layer w0.3: S3.1@60.198,14.478 56.9,11.18 56.9,6.25 55.075,4.425 53.7,4.425 35.52,22.605 35.52,40.87 68.15,73.5 v1(68.15,96.45) ; v1(71.225,96.55) 71.1,96.675 71.1,101.352 74.473,104.725 81.375,104.725 82.025,104.075 82.025,95.559 87.609,89.975 99.275,89.975 100.375,88.875 U6.3@103.25,88.875
  Bottom Layer w0.3: v1(68.15,96.45) 71.125,96.45 v1(71.225,96.55)
  Bottom Layer w0.5: S3.1@72.698,14.478 S18.1@106.916,14.478 ; S18.1@119.416,14.478 S14.1@153.634,14.478 ; S14.1@166.134,14.478 S10.1@200.352,14.478